# Altium PCB reefpi_pico_v2.pcbdoc (part 2 of 2)
Units mil, origin at the board's own origin, x right, y up, seen from the top; angles counter-clockwise.
Board outline 4774.87 x 3275 mil, 2 copper layers (Top Layer, Bottom Layer), stack 60.8 mil thick; 151 components, 89 nets, 545 pads, 609 vias.
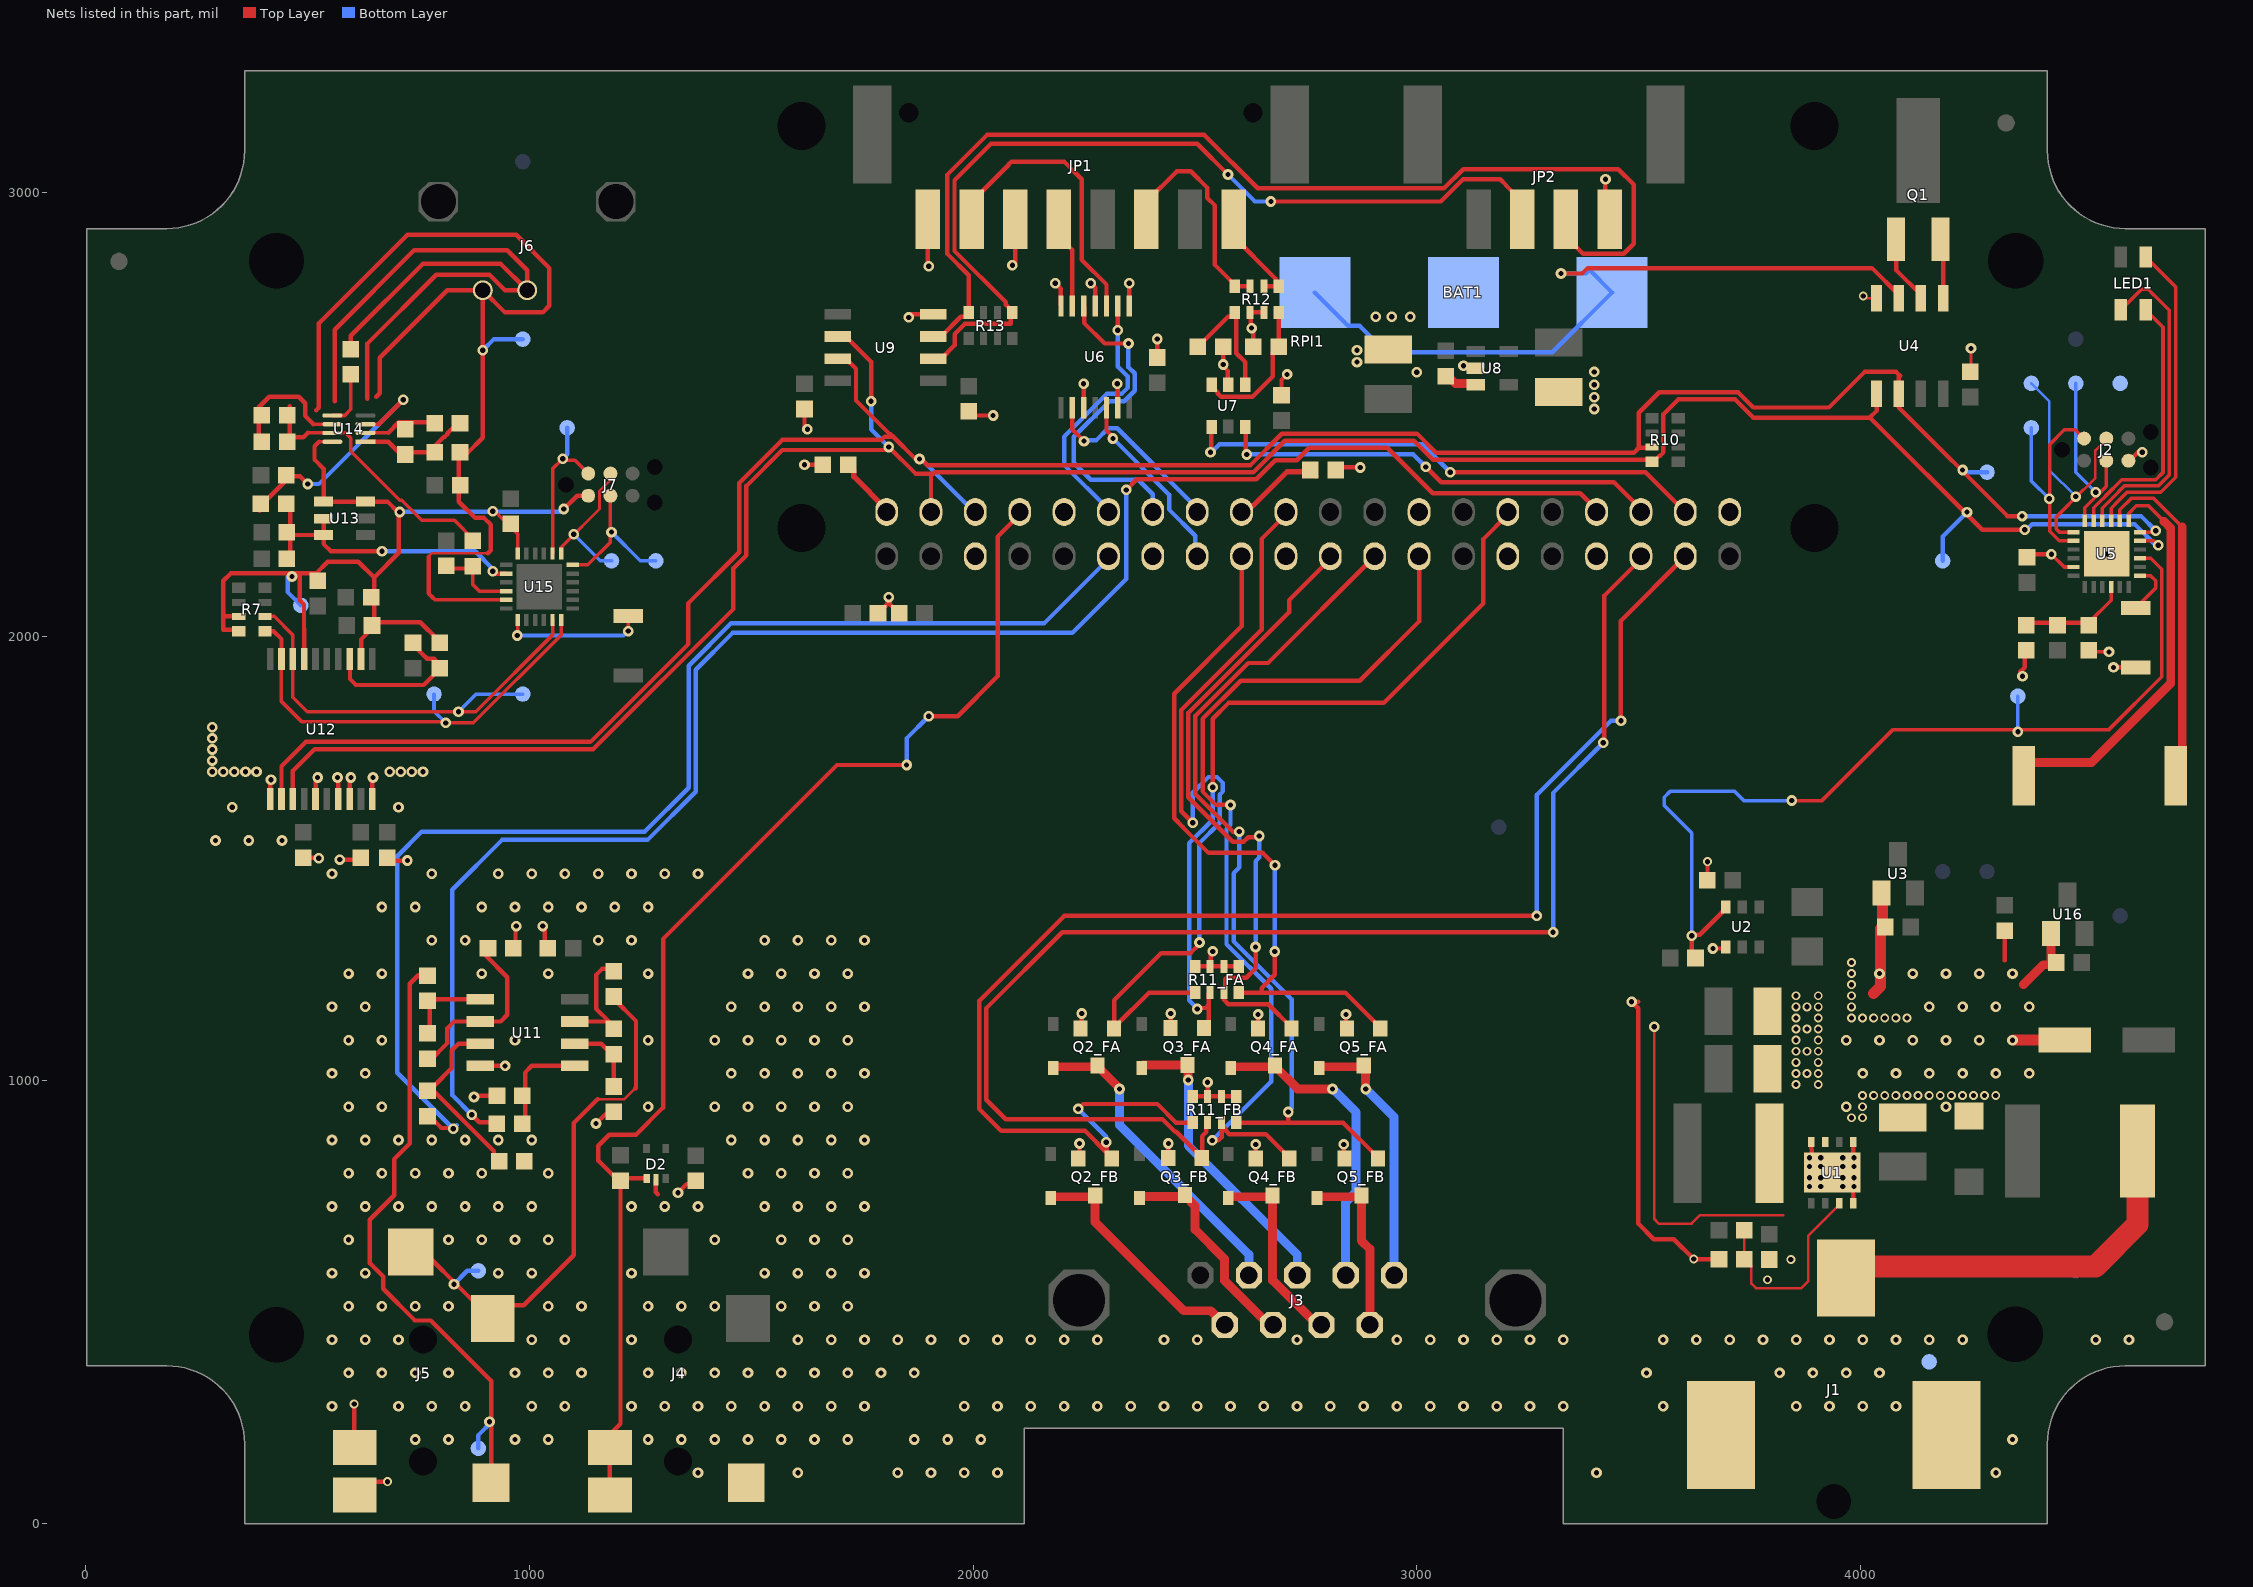
[diagram p2: the nets of this part, all layers, seen from the top]

## Via types
v1: diameter 24, hole 11.81, Top Layer to Bottom Layer, tented both sides, 536 vias
v2: diameter 20, hole 11.81, Top Layer to Bottom Layer, tented both sides, 73 vias

## Nets (pads, with @x,y where several pads share a name; then routed paths per layer and width w, separated by ;. In a path a pad name is that pad's centre, name@x,y a point inside that pad or via, vN(x,y) a via of type N, cw(c..) or ccw(c..) an arc to the next point about the centre after c; other vN are vias at no path point) (continued)
GND: BAT1.GND C1.2 C2.2 C3.2 C4.2 C5.2 C6.1 C7.2 C8.2 C9.1 C10.2 C11.2 C12.2 C13.2 C14.2 C16.2 C17.2 C18.2 C19.2 C20.2 C21.2 C22.2 C23.2 C24.2 C25.2 C26.2 C29.2 C30.2 C37.2 C39.2 C46.- C47.2 D1.C D2.2 J1.2 J1.3 J2.5 J4.1 J5.2 J5.4 JP1.6 JP1.8 JP2.1 pad.@430,426 pad.@4350,2847 Q2_FA.2 Q2_FB.2 Q3_FA.2 Q3_FB.2 Q4_FA.2 Q4_FB.2 Q5_FA.2 Q5_FB.2 R5.1 R9.1 R11_FA.1 R11_FA.3 R11_FA.5 R11_FA.7 R11_FB.1 R11_FB.3 R11_FB.5 R11_FB.7 R12.3 R12.5 R19.1 R23.1 RPI1.6 RPI1.9 RPI1.14 RPI1.20 RPI1.25 RPI1.30 RPI1.34 RPI1.39 SW1.2 TP4.1 TP20.1 U1.4 U1.5 U1.8 U1.PAD U2.4 U3.1 U4.4 U5.23 U5.PAD U6.1 U6.4 U6.7 U6.10 U6.13 U7.2 U8.2 U9.4 U11.4 U12.1 U12.5 U12.7 U12.8 U12.10 U16.1 | length 5474.1
  Top Layer w6: v1@3535,1117.54 3535,686.54 3545,676.54 3619,676.54 3637.46,695 3825,695 ; v2(3885,760) 3885,760.9 3895.9,750 U1.PAD@3910,764.1 ; v2(3885,825) 3885,820.9 3906.02,799.88 U1.PAD@3910,803.86 ; U1.PAD@3905,780 v2(3910,780) U1.PAD@3910,773.86 ; v2(3910,760) U1.PAD@3910,764.1 ; v2(3910,805) U1.PAD@3910,803.86 ; U1.PAD@3983.26,817.13 3975.39,825 v2(3960,825) v2(3960,805) 3960,803.86 3965,798.86 U1.PAD@3936.02,769.88 ; v2(4006,2767) 4011,2762 U4.4@4036,2762 ; C10.2@4247,2603.43 C10.2@4249,2605.43 ; v1(4249,2649) C10.2@4249,2605.43 ; C10.2@4252,2608.43 C10.2@4249,2605.43 ; U1.PAD@3910,764.1 U1.PAD@3910,769.88 ; U1.PAD@3910,769.88 U1.PAD@3936.02,769.88 ; U1.PAD@3910,769.88 3906.02,769.88 U1.PAD@3910,773.86 ; U1.PAD@3910,769.88 U1.PAD@3910,773.86 ; U1.PAD@3910,803.86 3910,795.9 U1.PAD@3936.02,769.88
  Top Layer w8: v1(4430,2185) 4458.74,2156.26 U5.23@4480,2156.26 ; R9.1@4513.8,1963.32 4515.48,1965 v1(4560,1965)
  Top Layer w10: U12.1@415.6,1633.72 415.6,1674.87 v1(417.6,1676.87) ; C47.2@497.6,1501.43 v1@525,1501.43 ; U12.5@517.96,1633.72 517.96,1677.23 v1(522.6,1681.87) ; v1(567.6,1681.87) 569.14,1680.32 U12.7@569.14,1633.72 ; v1(572.6,1496.87) 573.03,1496.43 C30.2@617.6,1496.43 ; U12.8@594.73,1633.72 594.73,1679 v1(597.6,1681.87) ; v2(605,270) 605,202.95 J5.2@606.46,201.5 ; U12.10@645.91,1633.72 645.91,1680.18 v1(647.6,1681.87) ; 656.46,94.61 656.85,95 v2(680,95) ; C29.2@680,1494.57 724.57,1494.57 v1(725,1495) ; v1(875.19,961.98) 878.19,964.98 C25.2@920.06,964.98 ; U11.4@888.89,1031.98 v1(945.19,1031.98) ; R19.1@968.66,1296.98 968.66,1345.45 v1(970.19,1346.98) ; v1(1030.19,1346.98) 1034.76,1342.41 C23.2@1034.76,1296.98 ; v1(1150.19,901.98) 1171.73,923.52 R23.1@1190.19,923.52 ; D2.2@1285.19,775.64 1285.19,746.98 1289.19,742.98 ; v1(1335,746.21) 1354.57,765.78 C22.2@1375,765.78 ; v1(1620,2387) C6.1@1661.46,2387 ; C20.2@1620,2512.3 1620,2473.4 v1(1626.46,2466.94) ; C7.2@1785.57,2051.73 1807.32,2073.49 1807.32,2085.72 v1(1810,2088.4) 1812.68,2085.72 1812.68,2072.41 C8.2@1833.36,2051.73 ; v1(1854.84,2718.78) 1861.9,2725.85 U9.4@1910,2725.85 ; JP1.8@1898.15,2940 1898.15,2836.14 v1(1900,2834.29) ; C21.2@1990,2506.87 1999.1,2497.77 v1(2045,2497.77) ; v1(2088.46,2836.14) 2095,2842.68 JP1.6@2095,2940 ; v1(2185,2795.87) 2197.37,2783.49 2197.37,2745.12 U6.7@2198,2744.49 ; Q2_FB.2@2237,823.44 2239.72,826.16 v1(2239.72,857) ; Q2_FA.2@2242.28,1116.44 2245,1119.16 v1(2245,1150) ; U6.10@2249,2515.31 v1(2249,2569.39) ; v1(2265,2795.87) 2275,2785.87 U6.4@2275,2744.49 ; v1(2325,2569.39) 2326.18,2568.21 U6.13@2326.18,2515.31 ; U6.1@2351.77,2744.49 v1(2351.77,2795.87) ; C19.2@2415,2628.54 v1(2415,2670) ; Q3_FB.2@2439.6,824.07 2440,824.47 v1(2440,857) ; Q3_FA.2@2444.87,1117.07 2445.28,1117.47 v1(2445.28,1150) ; R11_FB.1@2495,963.12 R11_FB.3@2528.46,963.12 ; R11_FA.1@2500.28,1256.12 R11_FA.3@2533.74,1256.12 ; v1(2528.46,995) R11_FB.3@2528.46,963.12 ; v1(2540,1290) 2535.89,1285.89 2535.89,1258.27 R11_FA.3@2533.74,1256.12 ; C18.2@2563.54,2652.33 v1(2563.54,2612.76) 2563.54,2608.97 2574.27,2598.24 2574.27,2567.97 U7.2@2575,2567.24 ; R11_FB.7@2593.43,963.12 R11_FB.5@2559.96,963.12 R11_FB.3@2528.46,963.12 ; R11_FA.7@2598.7,1256.12 R11_FA.5@2565.24,1256.12 R11_FA.3@2533.74,1256.12 ; C17.2@2631.73,2652.33 2631.73,2690.53 v1(2627.6,2694.67) 2625.55,2696.72 2625.55,2727.95 R12.5@2623.5,2730 R12.3@2655,2730 ; Q4_FB.2@2637,823.44 v1(2637,855) ; Q4_FA.2@2642.28,1116.44 v1(2642.28,1148) ; C13.2@2695,2543.54 2695,2577.72 v1(2707.6,2590.32) ; C9.1@2804.81,2382.6 2806.75,2380.66 v1(2872.21,2380.66) ; v1(2835,855) 2835,825.44 Q5_FB.2@2837,823.44 ; v1(2840.28,1148) 2840.28,1118.44 Q5_FA.2@2842.28,1116.44 ; v1(3425,3030) 3425,2949.43 JP2.1@3434.43,2940 ; 3499,1176.54 v1(3484,1176.54) 3499,1161.54 3499,676.54 3534,641.54 3579,641.54 v2(3624,596.54) R5.1@3680.98,596.54 ; C4.2@3647.57,1450 3655,1457.43 v2(3655,1492.23) ; v1(3667.13,1296.46) 3692.62,1296.46 U2.4@3696.17,1300 ; v2(3885,825) U1.PAD@3889.71,829.71 ; U1.8@3888.77,860.43 U1.PAD@3889.71,829.71 ; U1.PAD@3890,820 3889.84,825.15 U1.PAD@3889.71,829.71 ; U1.PAD@3890,830.01 U1.PAD@3889.71,829.71 ; U1.PAD@3936.02,769.88 3945.9,760 v2(3960,760) ; U1.4@3983.26,722.64 3983.26,745 ; U1.PAD@3983.26,817.13 U1.5@3983.26,860.43 ; 4324.52,1269.52 C39.2@4324.52,1329.57 ; v1@4360,1920 4370,1930 4370,1970.35 C12.2@4378.8,1970.35 ; C11.2@4390,2185 v1(4430,2185) ; v1(4570,1930) SW1.2@4620,1930 ; J2.5@4603.8,2395.79 4603.8,2393.8 4625,2415 v1(4635,2415)
  Top Layer w20: 4367.02,1215 4412.02,1260 C37.2@4429.09,1260 ; U16.1@4429.12,1330 4429.12,1260.03 C37.2@4434.09,1265
  Top Layer w25: 4029.09,1195 4044.52,1210.43 C5.2@4044.52,1341.69 ; U3.1@4047.12,1421.69 4049.09,1419.72 C5.2@4049.09,1345 ; v1@4344.52,1090 C46.-@4460.03,1090
  other v1: 1380,115 1605,115 1830,115 1905,115 1980,115 2055,115 3405,115 4305,115 742.5,190 817.5,190 967.5,190 1042.5,190 1267.5,190 1342.5,190 1417.5,190 1492.5,190 1567.5,190 1642.5,190 1717.5,190 1867.5,190 1942.5,190 2017.5,190 4342.5,190 555,265 705,265 780,265 855,265 1005,265 1080,265 1230,265 1305,265 1380,265 1455,265 1530,265 1605,265 1680,265 1755,265 1980,265 2055,265 2130,265 2205,265 2280,265 2355,265 2430,265 2505,265 2580,265 2655,265 2730,265 2805,265 2880,265 2955,265 3030,265 3105,265 3180,265 3255,265 3330,265 3555,265 3855,265 3930,265 4005,265 4080,265 592.5,340 667.5,340 742.5,340 817.5,340 967.5,340 1042.5,340 1117.5,340 1267.5,340 1342.5,340 1417.5,340 1492.5,340 1567.5,340 1642.5,340 1717.5,340 1792.5,340 1867.5,340 3517.5,340 3817.5,340 3892.5,340 3967.5,340 4042.5,340 555,415 630,415 705,415 1005,415 1080,415 1230,415 1605,415 1680,415 1755,415 1830,415 1905,415 1980,415 2055,415 2130,415 2205,415 2280,415 2430,415 2505,415 2730,415 2955,415 3030,415 3105,415 3180,415 3255,415 3330,415 3555,415 3630,415 3705,415 3780,415 3855,415 3930,415 4005,415 4080,415 4155,415 4230,415 4530,415 4605,415 592.5,490 667.5,490 742.5,490 817.5,490 1042.5,490 1117.5,490 1267.5,490 1342.5,490 1417.5,490 1567.5,490 1642.5,490 1717.5,490 555,565 630,565 930,565 1005,565 1230,565 1530,565 1605,565 1680,565 1755,565 592.5,640 817.5,640 892.5,640 967.5,640 1042.5,640 1417.5,640 1567.5,640 1642.5,640 1717.5,640 555,715 630,715 705,715 780,715 855,715 930,715 1005,715 1230,715 1305,715 1380,715 1530,715 1605,715 1680,715 1755,715 592.5,790 667.5,790 742.5,790 817.5,790 892.5,790 1042.5,790 1492.5,790 1567.5,790 1642.5,790 1717.5,790 555,865 630,865 705,865 780,865 855,865 930,865 1005,865 1455,865 1530,865 1605,865 1680,865 1755,865 592.5,940 667.5,940 1267.5,940 1417.5,940 1492.5,940 1567.5,940 1642.5,940 1717.5,940 3967.5,940 4192.5,940 555,1015 630,1015 1455,1015 1530,1015 1605,1015 1680,1015 1755,1015 4005,1015 4080,1015 4155,1015 4230,1015 4305,1015 4380,1015 592.5,1090 667.5,1090 967.5,1090 1267.5,1090 1417.5,1090 1492.5,1090 1567.5,1090 1642.5,1090 1717.5,1090 3967.5,1090 4042.5,1090 4117.5,1090 4192.5,1090 4267.5,1090 4342.5,1090 3535,1120 555,1165 630,1165 1455,1165 1530,1165 1605,1165 1680,1165 1755,1165 4155,1165 4230,1165 4305,1165 4380,1165 592.5,1240 667.5,1240 892.5,1240 1042.5,1240 1267.5,1240 1492.5,1240 1567.5,1240 1642.5,1240 1717.5,1240 4042.5,1240 4117.5,1240 4192.5,1240 4267.5,1240 4342.5,1240 780,1315 855,1315 1155,1315 1230,1315 1530,1315 1605,1315 1680,1315 1755,1315 667.5,1390 742.5,1390 892.5,1390 967.5,1390 1042.5,1390 1117.5,1390 1192.5,1390 1267.5,1390 555,1465 780,1465 930,1465 1005,1465 1080,1465 1155,1465 1230,1465 1305,1465 1380,1465 525,1500 292.5,1540 367.5,1540 442.5,1540 330,1615 705,1615 285,1695 310,1695 335,1695 360,1695 385,1695 685,1695 710,1695 735,1695 760,1695 285,1720 285,1745 285,1770 285,1795 4365,1910 3400,2512.3 3400,2538.77 3400,2567.24 3000,2595 3400,2596 3105,2610 2865,2618.11 2865,2645 2907.6,2720.14 2943.68,2720.24 2985,2720.14
  other v2: 3790.52,550 3842.83,595.59 3985,760 3885,780 3960,780 3985,780 3885,805 3985,805 3910,825 3985,825 3979.37,915 4004.52,915 4004.52,940 4004.52,965 4029.52,965 4054.52,965 4079.52,965 4104.52,965 4129.52,965 4154.52,965 4179.52,965 4204.52,965 4229.52,965 4254.52,965 4279.52,965 4304.52,965 3854.52,990 3904.52,990 3854.52,1015 3879.52,1015 3904.52,1015 3854.52,1040 3904.52,1040 3854.52,1065 3879.52,1065 3904.52,1065 3854.52,1090 3904.52,1090 3854.52,1115 3879.52,1115 3904.52,1115 3854.52,1140 3904.52,1140 3979.52,1140 4004.52,1140 4029.52,1140 4054.52,1140 4079.52,1140 4104.52,1140 3854.52,1165 3879.52,1165 3904.52,1165 3979.52,1165 3854.52,1190 3904.52,1190 3979.52,1190 3979.52,1215 3979.52,1240 3979.52,1265 4554.8,2185.79
I0: RPI1.35 U7.6 | length 1009.1
  Top Layer w10: U7.6@2613,2472 2614.76,2470.24 2614.76,2411.76 v1(2616.52,2410) ; v1(3020,2381.93) 3054.93,2347 3444.22,2347 3505,2286.22 RPI1.35@3505,2280.31
  Bottom Layer w10: v1(2616.52,2410) 2991.93,2410 v1(3020,2381.93)
I1: RPI1.37 U7.4 | length 1198.8
  Top Layer w10: v1(2535,2415) 2536.31,2416.31 2536.31,2470.71 U7.4@2537.6,2472 ; v1(3075.03,2370) 3515.31,2370 RPI1.37@3605,2280.31
  Bottom Layer w10: v1(2535,2415) 2537.18,2415 2555.18,2433 3012.03,2433 v1(3075.03,2370)
IN0: JP1.3 R12.6 R12.8 | length 502.1
  Top Layer w10: JP1.3@2390.28,2940 2390.28,2979.37 2459.28,3048.37 2490.37,3048.37 2527.26,3011.49 2527.26,2988.68 2545,2970.94 2545,2837.05 2590.04,2792.01 R12.8@2590.04,2789.06 R12.6@2623.5,2789.06
IN1: JP1.1 R12.2 R12.4 | length 226.4
  Top Layer w10: JP1.1@2587.13,2940 2587.13,2900.63 2681.65,2806.1 2681.65,2795.87 R12.2@2688.46,2789.06 R12.4@2655,2789.06
LB: LED1.B U5.16 | length 728.7
  Top Layer w8: U5.16@4544.96,2260.59 4544.96,2289.05 4566,2310.09 4566,2310.38 4594.69,2339.07 4671.08,2339.07 4671.45,2339.44 4695.52,2363.51 4695.52,2734.77 4660.5,2769.79 4660.21,2769.79 4648,2782 4633.02,2782 LED1.B@4586.8,2735.79
LG: LED1.G U5.17 | length 613.8
  Top Layer w6: LED1.G@4642.36,2723 LED1.G@4642.36,2735.79
  Top Layer w8: U5.17@4525.28,2260.59 4525.28,2289.46 4538.82,2303 4539.11,2303 4552,2315.89 4552,2316.18 4588.89,2353.07 4665.28,2353.07 4681.52,2369.31 4681.52,2696.63 LED1.G@4642.36,2735.79
LR: LED1.R U5.15 | length 727.2
  Top Layer w8: U5.15@4564.65,2260.59 4564.65,2288.94 4580,2304.29 4580,2304.58 4600.49,2325.07 4676.88,2325.07 4710,2358.19 4710,2787.2 LED1.R@4642.36,2854.84
NetBAT1_VBAT1: BAT1.VBAT1 BAT1.VBAT2 U4.3 | length 1720
  Top Layer w10: v1(3325,2817.71) 3372.29,2817.71 3384.57,2830 4025.56,2830 4086,2769.56 U4.3@4086,2762
  Bottom Layer w10: BAT1.VBAT2@2770,2775 2845,2700 2870.93,2700 2930.93,2640 3305,2640 BAT1.VBAT1@3440,2775 3389.07,2825.93 3380.85,2817.71 v1(3325,2817.71)
NetC6_2: C6.2 RPI1.1 | length 142.5
  Top Layer w12: C6.2@1718.54,2387 1731.24,2374.3 1731.24,2359.98 1805,2286.22 RPI1.1@1805,2280.31
NetC9_2: C9.2 RPI1.17 | length 200.5
  Top Layer w12: RPI1.17@2605,2280.31 2618.4,2293.72 2630.17,2293.72 2707.46,2371 C9.2@2750,2371 ; C9.2@2760.18,2375 C9.2@2772.88,2362.3
NetC12_1: C12.1 R8.1 R9.2 U5.4 | length 242.3
  Top Layer w8: R9.2@4513.8,2030.79 4564.65,2081.63 U5.4@4564.65,2110.98
  Top Layer w10: C12.1@4373.8,2032.22 4375.77,2030.25 4443.8,2030.25 4444.34,2030.79 R9.2@4513.8,2030.79
NetC17_1: C17.1 R12.1 U7.3 | length 321.2
  Top Layer w10: U7.3@2537.6,2567.24 2537.6,2563.24 2551.67,2549.17 2551.67,2547.02 2558.44,2540.24 2629.56,2540.24 2675.12,2585.81 2675.12,2638.63 C17.1@2688.82,2652.33 2688.46,2652.69 R12.1@2688.46,2730
NetC18_1: C18.1 R12.7 U7.1 | length 289.8
  Top Layer w10: C18.1@2506.46,2652.33 2574.36,2720.24 2583.23,2720.24 2590.04,2727.05 R12.7@2590.04,2730 2593.24,2726.8 2593.24,2637.86 2613,2618.11 U7.1@2613,2567.24
NetC24_1: C24.1 R16.2 U11.3 | length 417.4
  Top Layer w10: U11.3@888.89,1081.98 840.19,1081.98 825.19,1066.98 825.19,1026.98 784.19,985.98 775.19,985.98 775.19,984.45 920.19,839.45 C24.1@920.19,821.55 ; C24.1@920.19,811.98 C24.1@920.19,821.55 ; C24.1@924.76,816.98 C24.1@920.19,821.55
NetC25_1: C25.1 R20.2 U11.5 | length 231.1
  Top Layer w10: R20.2@989.49,904.98 990.92,906.41 990.92,964.98 990.92,1016.25 990.19,1016.98 1005.19,1031.98 U11.5@1102.19,1031.98
NetC34_1: C34.1 R28.2 U14.2 | length 149.9
  Top Layer w8: U14.2@630.6,2458.4 681.6,2458.4
  Top Layer w10: 681.6,2458.4 705.6,2482.4 769.17,2482.4 C34.1@770.17,2483.4
NetC34_2: C34.2 R26.2 R28.1 U14.1 | length 251.3
  Top Layer w10: U14.1@630.6,2438.72 681.82,2438.72 705.6,2414.94 770.06,2414.94 771.6,2413.4 771.6,2413.97 807.93,2450.3 809.71,2450.3 816.16,2456.74 816.16,2458.53 C34.2@841.03,2483.4
NetC36_1: C36.1 R32.1 R33.2 U14.7 | length 602.5
  Top Layer w8: 500.6,2458.4 U14.7@555.8,2458.4 586.06,2458.4 597.6,2446.87 597.6,2416.87 707.6,2306.87 712.6,2306.87 757.6,2261.87 831.06,2261.87 R32.1@872.6,2220.33
  Top Layer w10: 459.6,2518.4 459.6,2498.4 459.6,2449.83 461.03,2448.4 490.6,2448.4 500.6,2458.4
NetC36_2: C36.2 R33.1 U14.6 | length 288.6
  Top Layer w8: 513.29,2478.09 U14.6@555.8,2478.09
  Top Layer w10: C36.2@390.17,2448.4 R33.1@390.17,2500.37 ; R33.1@392.13,2498.4 R33.1@390.17,2500.37 ; 513.29,2478.09 494.6,2496.77 494.6,2525.4 480,2540 413.73,2540 390.17,2516.43 R33.1@390.17,2500.37
NetD2_1: D2.1 J4.2 J4.4 R14.1 RPI1.7 | length 2842.1
  Top Layer w10: J4.4@1181.46,95.2 J4.2@1181.46,171.5 1181.46,201.5 1205.19,225.23 R14.1@1205.19,768.52 ; R14.1@1205.19,773.44 R14.1@1205.19,768.52 ; D2.1@1264.05,778.52 1215.19,778.52 R14.1@1205.19,768.52 ; v1(1850,1710) 1693.21,1710 1301.19,1317.98 1301.19,937.98 1240.19,876.98 1180.19,876.98 1155.19,851.98 1155.19,818.52 R14.1@1205.19,768.52 ; v1(1900,1820) 1965.04,1820 2055,1909.96 2055,2224.41 2105,2274.41 RPI1.7@2105,2280.31
  Bottom Layer w10: v1(1850,1710) 1850,1770 v1(1900,1820)
NetD3_FA_A: D3_FA.A J3.3 Q3_FA.3 | length 683.9
  Top Layer w20: D3_FA.A@2380.28,1027.07 2380.28,1031.07 2382.91,1033.7 Q3_FA.3@2482.87,1033.7 2484.23,1032.34 2484.23,1000.77 v1(2485,1000)
  Bottom Layer w20: v1(2485,1000) 2485,852.28 2730.47,606.81 J3.3@2730.47,560
NetD3_FB_A: D3_FB.A J3.8 Q3_FB.3 | length 486.4
  Top Layer w20: D3_FB.A@2375,734.07 2375,735.38 2377,737.38 2474.28,737.38 Q3_FB.3@2477.6,740.7 2477.6,738.7 2500.28,716.02 2500.28,663.14 2566.89,596.53 2566.89,547.61 2666.31,448.19 J3.8@2675.94,448.19
NetD4_FA_A: D4_FA.A J3.2 Q4_FA.3 | length 707.6
  Top Layer w20: D4_FA.A@2580.28,1027.07 2580.28,1028.07 2582.28,1030.07 2677.28,1030.07 Q4_FA.3@2680.28,1033.07 2680.28,1031.07 2731.35,980 v1(2810,980)
  Bottom Layer w20: v1(2810,980) 2863,927 2863,748.44 2839.53,724.97 J3.2@2839.53,560
NetD4_FB_A: D4_FB.A J3.7 Q4_FB.3 | length 446.2
  Top Layer w20: D4_FB.A@2575,734.07 2575,735.07 2577,737.07 2672,737.07 Q4_FB.3@2675,740.07 2675,548.55 2775.36,448.19 J3.7@2785,448.19
NetD5_FA_A: D5_FA.A J3.1 Q5_FA.3 | length 604.4
  Top Layer w20: D5_FA.A@2780.28,1027.07 2780.28,1028.07 2782.28,1030.07 2877.28,1030.07 Q5_FA.3@2880.28,1033.07 2884.23,1029.11 2884.23,980.77 v1(2885,980)
  Bottom Layer w20: v1(2885,980) 2948.58,916.42 J3.1@2948.58,560
NetD5_FB_A: D5_FB.A J3.6 Q5_FB.3 | length 402.8
  Top Layer w20: D5_FB.A@2775,734.07 2775,735.07 2777,737.07 2872,737.07 Q5_FB.3@2875,740.07 2875,638.26 2894.06,619.2 J3.6@2894.06,448.19
NetD6_FA_A: D6_FA.A J3.4 Q2_FA.3 | length 717.4
  Top Layer w20: D6_FA.A@2180.28,1027.07 2180.28,1028.07 2182.28,1030.07 2277.28,1030.07 Q2_FA.3@2280.28,1033.07 2280.28,1031.07 2329.23,982.11 2329.23,980.77 v1(2330,980)
  Bottom Layer w20: v1(2330,980) 2330,898.23 2621.42,606.81 J3.4@2621.42,560
NetD6_FB_A: D6_FB.A J3.9 Q2_FB.3 | length 551.3
  Top Layer w20: D6_FB.A@2175,734.07 2175,735.07 2177,737.07 2272,737.07 Q2_FB.3@2275,740.07 2275,679.6 2474.6,480 2535.08,480 J3.9@2566.89,448.19
NetJ1_1: J1.1 R2.1 | length 799.8
  Top Layer w50: J1.1@4029.09,580 4529.52,580 4624.44,674.92 R2.1@4624.44,840
NetJ2_2: J2.2 TP17.1 U5.20 | length 534.3
  Top Layer w8: U5.20@4480,2215.31 4447.89,2215.31 4426.09,2237.11 4426.09,2432.27 4459.35,2465.54 4484.06,2465.54 J2.2@4503.8,2445.79
  Bottom Layer w8: TP17.1@4385,2470 4385,2350 v1(4425,2310)
NetJ2_3: J2.3 TP19.1 U5.18 | length 418.8
  Top Layer w8: U5.18@4505.59,2260.59 4505.59,2289.57 4553.8,2337.78 J2.3@4553.8,2395.79
  Bottom Layer w8: TP19.1@4485,2570 4485,2370 v1(4530,2325)
NetJ2_4: J2.4 TP18.1 U5.19 | length 588.8
  Top Layer w6: 4501,2329 4529.06,2357.06 4529.06,2419.07 4553.8,2443.82 J2.4@4553.8,2445.79
  Top Layer w8: U5.19@4480,2235 4448,2235 4441,2242 4441,2269 4501,2329
  Bottom Layer w6: TP18.1@4385,2570 4425,2530 4425,2375 v1(4485,2315)
NetJ5_1: J5.1 R17.2 TP33.1 | length 1396.1
  Top Layer w10: R17.2@775.19,1235.98 749.19,1235.98 730.19,1216.98 730.19,856.98 695.19,821.98 695.19,740.19 640,685 640,587.53 670.26,557.27 670.26,529.71 741.89,458.09 777.6,458.09 913.54,322.15 J5.1@913.54,122.76
  Bottom Layer w10: TP33.1@885,170 885,200 915,230 v1(910,230)
NetJ5_3: J5.3 J5.5 R21.2 TP34.1 | length 1235.7
  Top Layer w6: 1153.51,956.52 1213.28,956.52 1238.75,981.98
  Top Layer w10: J5.5@732.44,642.44 882.05,492.83 J5.3@917.48,492.83 ; J5.3@918.07,492.24 987.24,492.24 1100.19,605.19 1100.19,903.2 1153.51,956.52 ; R21.2@1190.19,1182.98 1240.19,1132.98 1240.19,981.98 1238.75,981.98
  Bottom Layer w10: v1(830,540) 860,570 TP34.1@885,570
NetJ6_PIN: J6.PIN R31.1 | length 1811.2
  Top Layer w10: 561.22,2530 561.22,2691.22 740,2870 950,2870 995,2825 J6.PIN@995,2780 ; R31.1@597.6,2652.33 597.6,2677.6 760,2840 935,2840 J6.PIN@995,2780 ; 635,2535 635,2660 790,2815 910,2815 945,2780 J6.PIN@995,2780
NetJ7_2: J7.2 TP9.1 U15.20 | length 365.8
  Top Layer w8: U15.20@1052.13,2186.67 1052.13,2377.34 1071.65,2396.87 1102.6,2396.87 J7.2@1132.6,2366.87
  Bottom Layer w10: v1(1075,2400) 1085,2410 TP9.1@1085,2470
NetJ7_3: J7.3 TP14.1 U15.18 | length 338.2
  Top Layer w8: U15.18@1097.4,2161.08 1131.81,2161.08 1182.6,2211.87 J7.3@1182.6,2316.87
  Bottom Layer w8: v1(1185,2235) 1250,2170 TP14.1@1285,2170
NetJ7_4: J7.4 TP11.1 U15.19 | length 335.9
  Top Layer w6: 1117.6,2246.87 1157.85,2287.12 1157.85,2327.12 1182.6,2351.87 J7.4@1182.6,2366.87
  Top Layer w8: U15.19@1071.81,2186.67 1071.81,2201.08 1117.6,2246.87
  Bottom Layer w8: v1(1100,2230) 1160,2170 TP11.1@1185,2170
NetJP1_5: JP1.5 U6.6 | length 207.8
  Top Layer w10: JP1.5@2193.43,2940 2193.43,2900.63 2223,2871.06 U6.6@2223,2744.49
NetJP1_7: JP1.7 U6.3 | length 650.9
  Top Layer w10: JP1.7@1996.57,2940 1996.57,2979.37 2080.36,3063.15 2080.36,3063.91 2086.44,3070 2205,3070 2245,3030 2245,2848.39 2300.59,2792.8 U6.3@2300.59,2744.49
NetL1_1: L1.1 U1.7
NetP1_1: P1.1 U5.14 | length 747.8
  Top Layer w8: U5.14@4584.33,2260.59 4584.33,2284.95 4610.45,2311.07 4660.21,2311.07 4725,2246.28
  Top Layer w20: P1.1@4713.8,1705.79 4725,1716.98 4725,2246.28
NetP1_2: P1.2 U5.13 | length 908.2
  Top Layer w8: U5.13@4604.02,2260.59 4604.02,2277.02 4621,2294 4649,2294 4683.8,2259.2
  Top Layer w20: P1.2@4368.8,1700.79 4368.8,1715.79 4520.79,1715.79 4699,1894 4699,2244 4683.8,2259.2
NetQ1_X1: Q1.X1 U4.2 | length 156.2
  Top Layer w10: Q1.X1@4080,2895 4080,2825.56 4136,2769.56 U4.2@4136,2762
NetQ1_X2: Q1.X2 U4.1 | length 107.6
  Top Layer w10: Q1.X2@4175,2865 4186,2854 U4.1@4186,2762
NetR3_1: R3.1 R5.2 U1.3 | length 470.8
  Top Layer w6: R3.1@3738.07,661.54 R5.2@3738.07,596.54 3753.77,580.83 3753.77,541.23 3764,531 3866.52,531 3881.96,546.44 3881.96,648.51 3920.2,686.75 3951.77,718.31 U1.3@3951.77,722.64
NetR4_1: R4.1 TP5.1 U2.3 U5.9 | length 2142.2
  Top Layer w8: R4.1@3624.52,1283.46 3630.53,1277.46 R4.1@3632.99,1275 ; v1(3845,1630) 3913.18,1630 4073.18,1790 4560,1790 4679,1909 4679,2151 4654.06,2175.94 U5.9@4629.61,2175.94
  Top Layer w10: R4.1@3628.07,1275 3619.52,1283.54 v1(3619.52,1325) 3622.2,1327.68 3637.84,1327.68 3696.17,1386 U2.3@3696.17,1390
  Bottom Layer w8: v1(3619.52,1325) 3619.52,1556.66 3557.5,1618.68 3557.5,1637.32 3570.68,1650.5 3716.32,1650.5 3736.82,1630 v1(3845,1630) ; v1(4354.52,1785) TP5.1@4354.52,1865
NetR6_1: R6.1 U8.3 | length 70.6
  Top Layer w20: R6.1@3070,2586.46 3086.56,2569.89 3129.8,2569.89 U8.3@3132.6,2567.1
NetR17_1: R17.1 R18.2 U11.1 | length 176.8
  Top Layer w10: R18.2@775.19,1110.98 775.19,1168.52 788.66,1181.98 U11.1@888.89,1181.98
NetR18_1: R18.1 R19.2 U11.2 | length 407.8
  Top Layer w10: R18.1@775.19,1043.52 815.19,1083.52 815.19,1116.98 830.19,1131.98 U11.2@888.89,1131.98 935.19,1131.98 950.19,1146.98 950.19,1231.98 901.19,1280.98 R19.2@901.19,1296.98
NetR21_1: R21.1 R22.2 U11.7 | length 255.1
  Top Layer w10: U11.7@1102.19,1131.98 R22.2@1179.19,1131.98 ; R22.2@1190.19,1120.98 R22.2@1179.19,1131.98 ; R21.1@1190.19,1250.45 1163.66,1250.45 1150.19,1236.98 1150.19,1160.98 R22.2@1179.19,1131.98
NetR22_1: R22.1 R23.2 U11.6 | length 162.3
  Top Layer w10: U11.6@1102.19,1081.98 1161.73,1081.98 1190.19,1053.52 R23.2@1190.19,990.98
NetR25_1: R25.1 R27.2 U14.3 | length 554.6
  Top Layer w8: U14.3@630.6,2478.09 660.28,2478.09
  Top Layer w10: R25.1@392.13,2283.4 392.13,2292.13 461,2361 483,2361 v1(500.6,2343.4) ; 660.28,2478.09 v1(715.6,2533.4)
  Bottom Layer w10: v1(500.6,2343.4) 525.6,2343.4 v1(715.6,2533.4)
NetR29_1: R29.1 R30.2 U12.13 | length 394.7
  Top Layer w10: U12.13@594.73,1948.68 595.6,1947.81 595.6,1903.87 609.06,1890.4 762.15,1890.4 794.6,1922.85 R29.1@794.6,1918.94 ; R30.2@737.6,1990.87 R30.2@737.6,1985.41 737.6,1979.85 738.71,1979.85 760.53,1958.02 760.86,1958.02 767.3,1951.58 767.3,1951.26 768.6,1949.96 785.05,1949.96 811.61,1923.4 R29.1@792.6,1923.4
NetR31_2: R31.2 U14.5 | length 121.4
  Top Layer w8: U14.5@555.8,2497.77 583.5,2497.77 597.6,2511.87 R31.2@597.6,2584.87
  Top Layer w10: R31.2@597.06,2585.4 R31.2@597.6,2584.87
NetSW1_1: SW1.1 U5.7 | length 120
  Top Layer w8: SW1.1@4620,2063.86 4665,2108.86 4665,2125 4653.43,2136.57 U5.7@4629.61,2136.57
NetSW2_1: SW2.1 U15.7 | length 323.5
  Top Layer w8: v1(972.6,2001.87) 973.39,2002.65 U15.7@973.39,2037.06 ; v1(1222.6,2011.87) SW2.1@1222.6,2045.72
  Bottom Layer w8: v1(972.6,2001.87) 1212.6,2001.87 v1(1222.6,2011.87)
P0: RPI1.11 U6.2 | length 593.4
  Top Layer w10: v1(2326.18,2690) U6.2@2326.18,2744.49
  Bottom Layer w10: RPI1.11@2305,2280.31 2305,2286.22 2205,2386.22 2205,2450.15 2301.23,2546.39 2334.53,2546.39 2348,2559.86 2348,2586.13 2326.18,2607.95 v1(2326.18,2690)
P1: RPI1.13 U6.5 | length 755.7
  Top Layer w10: U6.5@2249,2744.49 2250,2743.49 2250,2706.42 2296.42,2660 v1(2350,2660)
  Bottom Layer w10: v1(2350,2660) 2350,2606.76 2364,2592.76 2364,2553.23 2340.77,2530 2307.47,2530 2227,2449.53 2227,2391.29 2265.29,2353 2372,2353 2405,2320 RPI1.13@2405,2280.31
P2: RPI1.15 U6.9 | length 436.2
  Top Layer w10: U6.9@2223,2515.31 2223,2467.05 v1(2250,2440)
  Bottom Layer w10: v1(2250,2440) 2251.46,2441.46 2277,2441.46 2304.33,2468.79 2324.53,2468.79 2505,2288.31 RPI1.15@2505,2280.31
P3: RPI1.16 U6.12 | length 419.7
  Top Layer w10: U6.12@2300.59,2515.31 2300.59,2463.99 2315,2449.58 v1(2315,2445.79)
  Bottom Layer w10: v1(2315,2445.79) 2441.59,2319.2 2441.59,2286.07 2500.85,2226.81 2500.85,2184.46 RPI1.16@2505,2180.31
P4: Q5_FA.1 R11_FA.8 RPI1.18 | length 1577.9
  Top Layer w10: R11_FA.8@2598.7,1197.07 2650,1197.07 ; RPI1.18@2605,2180.31 2605,2022.64 2453,1870.64 2453,1589.91 2472,1570.91 2472,1570.47 2530.52,1511.95 2652.55,1511.95 v1(2680.28,1484.23) ; v1(2680,1289.88) 2680,1237.07 2650,1207.07 2650,1197.07 ; Q5_FA.1@2917.68,1116.44 2917.68,1118.44 2839.05,1197.07 2650,1197.07
  Bottom Layer w10: v1(2680,1289.88) 2680.14,1290.02 2680.14,1484.09 v1(2680.28,1484.23)
P5: Q4_FA.1 R11_FA.6 RPI1.22 | length 1490.9
  Top Layer w10: v1(2636.48,1300) 2636.48,1251.48 2615.36,1230.36 2571.09,1230.36 2567.57,1226.83 2567.57,1199.4 R11_FA.6@2565.24,1197.07 2565.24,1180.86 2575.09,1171 2665.12,1171 2717.68,1118.44 Q4_FA.1@2717.68,1116.44 ; v1(2645,1550) 2642.32,1547.32 2619.85,1547.32 2609.53,1537 2585.22,1537 2485,1637.22 2485,1827.4 2712.36,2054.76 2712.36,2081.77 2805,2174.41 RPI1.22@2805,2180.31
  Bottom Layer w10: v1(2636.48,1300) 2636.48,1493.11 2645,1501.63 v1(2645,1550)
P6: Q3_FA.1 R11_FA.4 RPI1.29 | length 1745.6
  Top Layer w10: v1@2505,1162.48 2523.75,1162.48 2531.28,1170 ; Q3_FA.1@2520.28,1117.07 2531.28,1128.07 2531.28,1170 ; R11_FA.4@2533.74,1197.07 2531.28,1194.6 2531.28,1170 ; v1(2540,1660) 2540,1814.52 2575.48,1850 2925.6,1850 3150,2074.4 3150,2219.41 3205,2274.41 RPI1.29@3205,2280.31
  Bottom Layer w10: v1(2505,1160) 2505,1161.36 2486.59,1179.77 2486.59,1533.41 2540,1586.82 v1(2540,1660)
P7: Q2_FA.1 R11_FA.2 RPI1.19 | length 1870.5
  Top Layer w10: Q2_FA.1@2317.68,1116.44 2320.28,1119.04 2320.28,1121.04 2396.31,1197.07 R11_FA.2@2500.28,1197.07 ; Q2_FA.1@2317.68,1121.04 2317.68,1179.85 2424.08,1286.25 2490,1286.25 2510,1306.25 v1(2510,1310) ; v1(2495,1580) 2469,1606 2469,1834.03 2650,2015.03 2650,2219.41 2705,2274.41 RPI1.19@2705,2280.31
  Bottom Layer w10: v1(2495,1580) 2495,1647.53 2530.47,1683 2549.53,1683 2563,1669.53 2563,1650.47 2556,1643.47 2556,1580.19 2510,1534.19 v1(2510,1310)
P8: Q5_FB.1 R11_FB.8 RPI1.24 | length 1945.9
  Top Layer w10: v1(2600,1560) 2584.85,1560 2501,1643.85 2501,1820.77 2620.23,1940 2664.69,1940 RPI1.24@2905,2180.31 ; R11_FB.8@2600.24,910.88 R11_FB.8@2593.43,904.07 2710,904.07 ; v1(2710,927.97) 2710,904.07 ; Q5_FB.1@2912.4,823.44 2912.4,825.44 2833.77,904.07 2710,904.07
  Bottom Layer w10: v1(2600,1560) 2600,1479.26 2587,1466.26 2587,1313 2718.27,1181.73 2718.27,936.25 v1(2710,927.97)
P9: Q4_FB.1 R11_FB.6 RPI1.26 | length 2063.1
  Top Layer w10: v1(2539,864.04) 2552.5,864.04 2559.96,871.51 R11_FB.6@2559.96,897.18 ; R11_FB.6@2559.96,904.07 R11_FB.6@2559.96,897.18 ; v1(2580,1620) 2547.47,1620 2517,1650.47 2517,1814.15 2602.85,1900 2871.5,1900 3005,2033.5 RPI1.26@3005,2180.31 ; Q4_FB.1@2712.4,823.44 2712.4,825.44 2659.84,878 2577.36,878 2570.29,885.07 2570.29,886.85 R11_FB.6@2559.96,897.18
  Bottom Layer w10: v1(2539,864.04) 2671.6,996.64 2671.6,1205.77 2571,1306.37 2571,1566.5 2580,1575.5 v1(2580,1620)
P10: Q3_FB.1 R11_FB.4 RPI1.36 | length 3110.3
  Top Layer w10: R11_FB.4@2528.46,904.07 2525.59,901.2 2525.59,883.16 2516,873.57 2516,825.07 Q3_FB.1@2515,824.07 2515,826.07 2457.53,883.53 2455.14,883.53 2426.68,912 2073.37,912 2029.64,955.72 2029.64,1054.64 2030,1055 2030,1162.21 2200.79,1333 v1(3307,1333) ; v1(3420,1760) 3422.68,1762.68 3422.68,2092.09 3505,2174.41 RPI1.36@3505,2180.31
  Bottom Layer w10: v1(3307,1333) 3307,1647 v1(3420,1760)
P11: Q2_FB.1 R11_FB.2 RPI1.38 | length 3292.7
  Top Layer w10: v1(2237,935) 2248,946 2415.31,946 2457.24,904.07 R11_FB.2@2495,904.07 ; v1(2300,860) 2301.4,858.6 Q2_FB.1@2301.4,836.44 ; Q2_FB.1@2312.4,823.44 2301.4,834.44 Q2_FB.1@2301.4,836.44 ; v1(3270,1370) 2205.26,1370 2013.64,1178.38 2013.64,935 2062.92,885.72 2252.12,885.72 Q2_FB.1@2301.4,836.44 ; v1(3460,1810) 3460,2035.31 RPI1.38@3605,2180.31
  Bottom Layer w10: v1(2237,935) 2300,872 v1(2300,860) ; v1(3270,1370) 3270,1642.53 3437.47,1810 v1(3460,1810)
pH_Out: C35.1 R32.2 U15.4 | length 177.3
  Top Layer w8: C35.1@812.6,2152.87 872.6,2152.87 872.6,2116.87 887.44,2102.02 U15.4@947.8,2102.02
PWM0: R16.1 RPI1.12 | length 2789.5
  Top Layer w10: R16.1@775.19,918.52 801.73,891.98 v1@828.26,891.98
  Bottom Layer w10: v1@836.19,897.98 v1(828.26,890.05) 702,1016.31 702,1504.53 757.47,1560 1260,1560 1359,1659 1359,1934 1455,2030 2160.59,2030 2305,2174.41 RPI1.12@2305,2180.31
PWM1: R20.1 RPI1.33 | length 3917.9
  Top Layer w10: v1(870.19,921.98) 887.19,904.98 R20.1@922.03,904.98 ; v1(2345,2330) 2369,2354 2638.3,2354 2681.17,2396.88 2729.1,2396.88 2757.22,2425 2933.4,2425 3035.59,2322.81 3368.41,2322.81 3405,2286.22 RPI1.33@3405,2280.31
  Bottom Layer w10: v1(870.19,921.98) 825.98,966.2 825.98,1428.95 938.24,1541.22 1266.22,1541.22 1375,1650 1375,1925 1457.68,2007.68 2223.46,2007.68 2345,2129.22 v1(2345,2330)
SCL: R10.3 RPI1.5 TP22.1 U4.6 U5.12 U9.7 U12.2 | length 5713.5
  Top Layer w8: U5.12@4629.61,2235 v1@4659,2235
  Top Layer w10: U12.2@441.19,1633.72 441.19,1707.38 495.81,1762 1137.5,1762 1358.38,1982.88 1358.38,2074.94 1473,2189.56 1473,2345.63 1570.28,2442.91 1793.47,2442.91 1800.47,2449.91 1819.6,2449.91 1819.69,2450 ; U9.7@1695,2625.85 1713,2625.85 1736,2602.85 1736,2531.47 1811.47,2456 1813.69,2456 1819.69,2450 ; R10.3@3530,2426.91 3528.09,2425 3500.24,2425 ; v1(4364,2271) 4331,2271 4086,2516 U4.6@4086,2547 4086,2587 4089,2587 4080,2596 4009,2596 3928.77,2515.77 3758.22,2515.77 3723.99,2550 3546,2550 3500.24,2504.23 3500.24,2425 ; v1@4659,2235 4665,2241 v1(4665,2238) ; 1819.69,2450 1870,2399.69 v1(1879.03,2399.69) 1882.82,2399.69 1896.51,2386 2625.04,2386 2695.8,2456.76 2743.72,2456.76 2743.97,2457 3000.08,2457 3043.15,2413.93 3489.16,2413.93 3500.24,2425
  Bottom Layer w10: v1(1879.03,2399.69) 1882.82,2399.69 2002.2,2280.31 RPI1.5@2005,2280.31 ; v1(4230,2375) 4235,2370 TP22.1@4285,2370 ; v1(4364,2271) 4632,2271 v1(4665,2238)
SCLB: JP2.3 R13.7 U9.2 | length 2050.4
  Top Layer w10: U9.2@1910,2625.85 1928,2625.85 1958.1,2655.95 1958.1,2681.04 1981.2,2704.14 2085,2704.14 2085,2726.44 R13.7@2088.46,2729.9 2088.46,2732.85 2073.87,2747.44 2073.87,2752.66 1958.02,2868.51 1958.02,3027.7 2040.31,3110 2505.01,3110 v1(2574.27,3040.74) ; v1(2671.04,2980) 3053.95,2980 3103.95,3030 3188.11,3030 3200.87,3017.24 3200.87,3016.07 3237.57,2979.37 JP2.3@3237.57,2940
  Bottom Layer w10: v1(2574.27,3040.74) 2635.01,2980 v1(2671.04,2980)
SCLISO: R7.7 TP15.1 U12.19 U15.12 | length 1002.3
  Top Layer w8: 441.19,1923.4 441.19,1853.28 486.46,1808 811.31,1808 814.31,1805 873.75,1805 1071.81,2003.06 U15.12@1071.81,2037.06
  Top Layer w10: R7.7@404.06,2011.54 423.46,2011.54 441.19,1993.81 U12.19@441.19,1948.68
  Bottom Layer w8: TP15.1@785,1870 785,1831.31 v1(811.31,1805)
SDA: R10.1 RPI1.3 TP21.1 U4.5 U5.11 U9.6 U12.3 | length 5685.1
  Top Layer w8: U5.11@4629.61,2215.31 4660.69,2215.31 v1(4670.76,2205.24)
  Top Layer w10: U12.3@466.78,1633.72 466.78,1696.78 516,1746 1144.13,1746 1459.78,2061.65 1459.78,2153.71 1489,2182.93 1489,2339 1570,2420 1803.09,2420 v1(1810,2426.91) 1870.04,2366.87 1910,2366.87 ; U9.6@1695,2675.85 1713,2675.85 1770,2618.85 v1(1770,2530) ; RPI1.3@1905,2280.31 1905,2361.87 1910,2366.87 ; U4.5@4036,2547 4036,2508 4021,2493 ; v1(4370,2240) 4274,2240 4021,2493 ; 1910,2366.87 1913.13,2370 2631.67,2370 2702.43,2440.76 2750.35,2440.76 2750.59,2441 2993.46,2441 3036.53,2397.93 3525.51,2397.93 R10.1@3530,2393.44 3532.95,2393.44 3546.92,2407.4 3548.69,2407.4 3555.76,2414.48 3555.76,2500.71 3589.06,2534 3717.37,2534 3758.37,2493 4021,2493
  Bottom Layer w10: v1(1770,2530) 1770,2466.91 v1(1810,2426.91) ; TP21.1@4185,2170 4185,2225 v1(4240,2280) ; v1(4370,2240) 4374,2240 4387,2253 4617.47,2253 4669.47,2201 4670.76,2202.28 v1(4670.76,2205.24)
SDAB: JP2.2 R13.1 U9.3 | length 2452.3
  Top Layer w10: U9.3@1910,2675.85 1928,2675.85 1972.29,2720.14 1983.23,2720.14 1990.04,2726.95 R13.1@1990.04,2729.9 1990.04,2813.86 1942.02,2861.89 1942.02,3040.74 2031.28,3130 2521.06,3130 2641.35,3009.71 3061.03,3009.71 3104.32,3053 3454.1,3053 3488.98,3018.11 3488.98,2884.51 3466.54,2862.07 3374.56,2862.07 3336,2900.63 JP2.2@3336,2940
SDAISO: R7.5 TP13.1 U12.18 U15.11 | length 1086.6
  Top Layer w8: R7.5@404.06,2045 425,2045 466.78,2003.22 U12.18@466.78,1948.68 466.78,1862.69 499.46,1830 v1(840,1830) 878.95,1830 1052.13,2003.18 U15.11@1052.13,2037.06
  Bottom Layer w8: v1(840,1830) 880,1870 TP13.1@985,1870
VISO: C31.1 C32.1 C38.1 C48.1 J7.1 R7.6 R7.8 R29.2 TP8.1 U12.12 U12.17 U13.3 U13.4 U14.8 U15.24 | length 2291.2
  Top Layer w8: 525.91,2438.72 U14.8@555.8,2438.72 ; v1(917.6,2281.87) 922.17,2281.87 957.6,2246.43 973.39,2230.65 U15.24@973.39,2186.67
  Top Layer w10: R7.8@345,2011.54 341.54,2015 310,2015 310,2050 ; R7.6@345,2045 315,2045 310,2050 ; U12.17@492.37,1948.68 492.37,2016.73 491.91,2017.19 491.91,2071.87 482.6,2081.18 482.6,2141.79 ; 525.91,2438.72 515.6,2428.4 515.6,2398.4 536.11,2377.89 U13.4@536.11,2303.8 U13.3@630.6,2303.8 680.2,2303.8 v1@705.6,2278.4 ; U12.12@620.32,1948.68 620.6,1948.95 620.6,1992.97 C31.1@652.03,2024.4 ; v1(707.6,2280.4) v1@705.6,2278.4 ; R29.2@792.6,1990.87 792.6,1993.42 754.15,2031.87 659.5,2031.87 C31.1@652.03,2024.4 ; v1(1077.6,2286.87) 1107.6,2316.87 J7.1@1132.6,2316.87 ; 310,2050 310,2125 326.79,2141.79 482.6,2141.79 ; 482.6,2141.79 518.98,2141.79 545.6,2168.4 614.46,2168.4 650.03,2132.83 ; 650.03,2132.83 650.03,2088.4 650.03,2026.4 C31.1@652.03,2024.4 ; 650.03,2132.83 705.6,2188.4 v1@705.6,2278.4
  Bottom Layer w10: v1(465,2135) 455,2135 455,2100 TP8.1@485,2070 ; v1(707.6,2280.4) 1071.13,2280.4 v1(1077.6,2286.87)
VREF: C27.1 C28.1 R25.2 U13.5 U13.6 U15.2 | length 679.9
  Top Layer w10: R25.2@459.6,2283.4 461.03,2281.97 C27.1@461.03,2228.4 ; C28.1@461.03,2178.4 C27.1@461.03,2228.4 ; U13.5@536.11,2265.2 U13.6@536.11,2228.4 ; v1(667.6,2191.87) 552.6,2191.87 536.11,2208.35 U13.6@536.11,2228.4 ; v1(917.6,2146.87) 923.07,2141.39 U15.2@947.8,2141.39 ; C27.1@461.03,2228.4 U13.6@536.11,2228.4
  Bottom Layer w10: v1(667.6,2191.87) 877.6,2191.87 917.6,2151.87 v1(917.6,2146.87)
VREF2: C33.1 J6.SHIELD R26.1 TP10.1 U15.5 | length 2654.1
  Top Layer w6: 772.67,2179.84 780.16,2187.33 906.24,2187.33
  Top Layer w8: 782.6,2086.87 787.13,2082.34 U15.5@947.8,2082.34
  Top Layer w10: 520,2510 525,2515 525,2705 725,2905 970,2905 1045,2830 1045,2745 1030,2730 945,2730 J6.SHIELD@895,2780 ; 654.67,2539.67 662.6,2547.6 662.6,2627.6 815,2780 J6.SHIELD@895,2780 ; 772.67,2179.84 772.67,2096.79 782.6,2086.87 ; 906.24,2187.33 912.6,2193.69 912.6,2251.87 897.6,2266.87 877.6,2266.87 841.03,2303.43 841.03,2411.43 839.06,2413.4 860.6,2413.4 895,2447.8 v1(895,2645) J6.SHIELD@895,2780
  Bottom Layer w10: v1(895,2645) 920,2670 TP10.1@985,2670
pads on no net: D2.3 D2.4 FID1. FID2. FID3. J1.TAB J2. J2.6 J3. J4. J5. J6. J7. J7.6 JP1. JP1.PAD JP2.PAD Q1.SHEILD R7.1 R7.2 R7.3 R7.4 R10.5 R10.6 R10.7 R10.8 R13.3 R13.4 R13.5 R13.6 RPI1. RPI1.8 RPI1.10 RPI1.21 RPI1.23 RPI1.27 RPI1.28 RPI1.31 RPI1.32 RPI1.40 U4.7 U5.1 U5.2 U5.3 U5.5 U5.6 U5.8 U5.10 U5.21 U5.22 U6.8 U6.11 U12.6 U12.15 U15.1 U15.3 U15.6 U15.8 U15.9 U15.10 U15.13 U15.14 U15.15 U15.16 U15.17 U15.21 U15.22

## Polygon pours and split planes (outlines as drawn)
GND on Top Layer "Top Layer-GND" (solid, pour order 32): 3240,2612.79 3240,2473.54 3420,2473.54 3420,2612.79
GND on Top Layer "Top Layer-GND" (solid, pour order 30): 2845,2735.79 2845,2596.54 3025,2596.54 3025,2735.79
GND on Top Layer "GND_PWR" (solid, pour order 6): 3749.52,1215 3749.52,970 3939.52,970 3939.52,876.54 4394.52,876.54 4394.52,1302 3986.52,1302 3899.52,1215
GND on Top Layer "GND_L01_P010" (solid, remove dead copper, pour order 10): 1255,10 1255,460 3805,460 3805,10
GND on Top Layer "GND_L01_P026" (solid, remove dead copper, pour order 26): 260,1820 785,1820 785,1470 260,1470
GND on Top Layer "GND_L01_P022" (solid, remove dead copper, pour order 22): 520.6,120 520.6,1520 1735,1520 1785,1470 1785,370 1535,120
GISO on Top Layer "GISO_L01_P020" (solid, remove dead copper, pour order 20): 1280,1840 280,1840 280,3040 1280,3040
GND on Top Layer "GND_L01_P014" (solid, pour order 14): 3765,618.17 3765,538.17 3865,538.17 3865,618.17
GND on Top Layer "GND_L01_P012" (solid, pour order 12): 3629.52,-4.87 3629.52,455 4624.44,455 4624.44,-4.87
NetL1_1 on Top Layer "NETL1_1_L01_P000" (solid, remove dead copper, pour order 0): 3759.52,945 3929.52,945 3929.52,785 3759.52,785
5V_SMC on Top Layer "5V_SMC_L01_P002" (solid, remove dead copper, pour order 2): 3684.52,705 3554.52,705 3554.52,1225 3734.52,1225 3734.52,975 3684.52,925
12V on Top Layer "12V_L01_P004" (solid, remove dead copper, pour order 4): 3928.8,860.72 3928.8,750.72 4404.52,750.72 4404.52,860.72
GND on Bottom Layer "GND_L02_P028" (solid, remove dead copper, pour order 28): -15,3370 4805,3370 4805,-210 4685,-330 -15,-330
GISO on Bottom Layer "GISO_L02_P016" (solid, pour order 16): 315.63,1720 1315.63,1720 1315.63,2405.77 1315.63,3265.1 315.63,3265.11

## Other copper
Top Layer:
  text "PCB REVD" at 160,1645 h40 r90
  text "reef-pi" at 154.56,1295 h200
  text "reef-pi.com" at 154.56,1235 h80
  text "pico" at 130,1105 h200
  text "controller" at 126.24,1003.54 h100
Bottom Layer:
  pour cut-out: 3835,3262.5 3785,3212.5 3785,3087.5 3835,3037.5 3960,3037.5 4010,3087.5 4010,3212.5 3960,3262.5
  pour cut-out: 3835,2359.32 3785,2309.32 3785,2184.32 3835,2134.32 3960,2134.32 4010,2184.32 4010,2309.32 3960,2359.32
  pour cut-out: 1550,3262.5 1500,3212.5 1500,3087.5 1550,3037.5 1675,3037.5 1725,3087.5 1725,3212.5 1675,3262.5
  pour cut-out: 1550,2356.99 1500,2306.99 1500,2181.99 1550,2131.99 1675,2131.99 1725,2181.99 1725,2306.99 1675,2356.99

## Silkscreen, mask and mechanical layers (free items; w line width, h text height)
Top Overlay:
  drawing of 621 lines, arcs and shapes, not listed
  text "Pin1" at 2835,3120 h60 r90
  text "Pin1" at 3685,3120 h60 r90
  text "pH" at 590,3065 h150 r90
  text "GPIO" at 2145,2810 h100
  text "I2C" at 3225,2810 h100
  text "SMC Status" at 4425,2650 h80
  text "For Raspberry Pi Zero / Zero W / Mount Pi face-down" at 1460,2110 h80 r90
  text "© 2018 StackFoundry LLC / All Rights Reserved." at 190,2030 h80 r90
  text "Output" at 1490,1940 h100
  text "Input" at 1896,1940 h100
  text "I2C" at 2329.6,1940 h100
  text "DB9 Power" at 2855,1940 h100
  text "GP24" at 3085,1850.83 h100
  text "Pin1" at 2825.94,1850 h100
  text "GP25" at 3085,1771.98 h100
  text "Pin2" at 2825.94,1771.15 h100
  text "GP5" at 3085,1693.12 h100
  text "Pin3" at 2825.94,1692.29 h100
  text "GND" at 1530,1660 h100 r90
  text "GP17" at 1610,1660 h100 r90
  text "GND" at 1690,1660 h100 r90
  text "GP27" at 1770,1660 h100 r90
  text "5V Out" at 1880,1660 h100 r90
  text "GP26" at 1960,1660 h100 r90
  text "5V Out" at 2040,1660 h100 r90
  text "GP19" at 2110,1660 h100 r90
  text "5V Out" at 2280,1660 h100 r90
  text "SCL" at 2360,1660 h100 r90
  text "SDA" at 2440,1660 h100 r90
  text "GND" at 2520,1660 h100 r90
  text "Pin1" at 2590,1650 h60 r90
  text "PCB Rev D" at 110,1645 h80 r90
  text "Pin1" at 2180,1640 h60 r90
  text "GP10" at 3085,1614.27 h100
  text "Pin4" at 2825.94,1613.44 h100
  text "Terminal Header" at 1765,1550 h100
  text "Pin5" at 2825.94,1534.58 h100
  text "+12V" at 3085,1535.42 h100
  text "Outputs: 16mA max each, 5V" at 1440,1485 h100
  text "GP8" at 3085,1456.56 h100
  text "Pin6" at 2825.94,1455.73 h100
  text "GP7" at 3085,1377.71 h100
  text "Pin7" at 2825.94,1376.88 h100
  text "GP16" at 3085,1298.85 h100
  text "Pin8" at 2825.94,1298.02 h100
  text "GP20" at 3085,1220 h100
  text "Pin9" at 2825.94,1219.17 h100
  text "blueAcro.com" at 135,810 h80
  text "Designed and Made in California" at 85,595 h80 r90
  text "CERN Open Hardware License v1.2" at 1922,253 h60 r90
  text "github.com/blueacro" at 1962,253 h60 r90
  text "Use +12V, >1A / Power Supply" at 3530,60 h100 r90
  text "2x 0-10V" at 1055,30 h150 r90
  text "1-Wire" at 1625,30 h150 r90
Bottom Overlay:
  text "CR1216" at 3355,2450 h80
Top Solder:
  region: 520,2533.4 520.6,2534 520.6,2718.78 528.78,2718.78 720,2910 968.64,2910 1042.5,2836.14 1040,2833.64 1040,2730 755.33,2730 667.5,2642.17 667.5,2533.4
  text "PCB REVD" at 160,1645 h40 r90
  text "reef-pi" at 154.56,1295 h200
  text "reef-pi.com" at 154.56,1235 h80
  text "pico" at 130,1105 h200
  text "controller" at 126.24,1003.54 h100
Bottom Solder:
  rectangle: 840,2730 1050,2834.29
Mechanical 1:
  circle w10: c429.57,427.57 r62.5
  circle w10: c4349.57,2847.57 r62.5
  circle w10: c429.57,2847.57 r62.5
  circle w10: c4349.57,427.57 r62.5
  lines w10: 358.12,0.13 358.12,180.07 ccw(c182.07,180.07) 182.07,356.11 2.14,356.11 2.14,2919.02 182.07,2919.02 ccw(c182.07,3095.07) 358.12,3095.07 358.12,3275 4421.03,3275 4421.03,3095.07 ccw(c4597.07,3095.07) 4597.07,2919.02 4777.01,2919.02 4777.01,356.11 4597.07,356.11 ccw(c4597.07,180.07) 4421.03,180.07 4421.03,0.13 3330.13,0.13 ; 358.25,0 2115,0 2115,215 3330,215 3330,0
Mechanical 4:
  circle w10: c4350,425 r83
  circle w10: c430,425 r83

## Text inside footprints (layer, text, board x,y; h text height)
RPI1: Top Overlay "1" at 1752.87,2300 h78.74 r180